# Altium PCB MachChoCaAn.PcbDoc
Units mil, origin at the board's own origin, x right, y up, seen from the top; angles counter-clockwise.
Board outline 2525 x 1550 mil, 2 copper layers (Top Layer, Bottom Layer); 36 components, 31 nets, 121 pads, 14 vias.
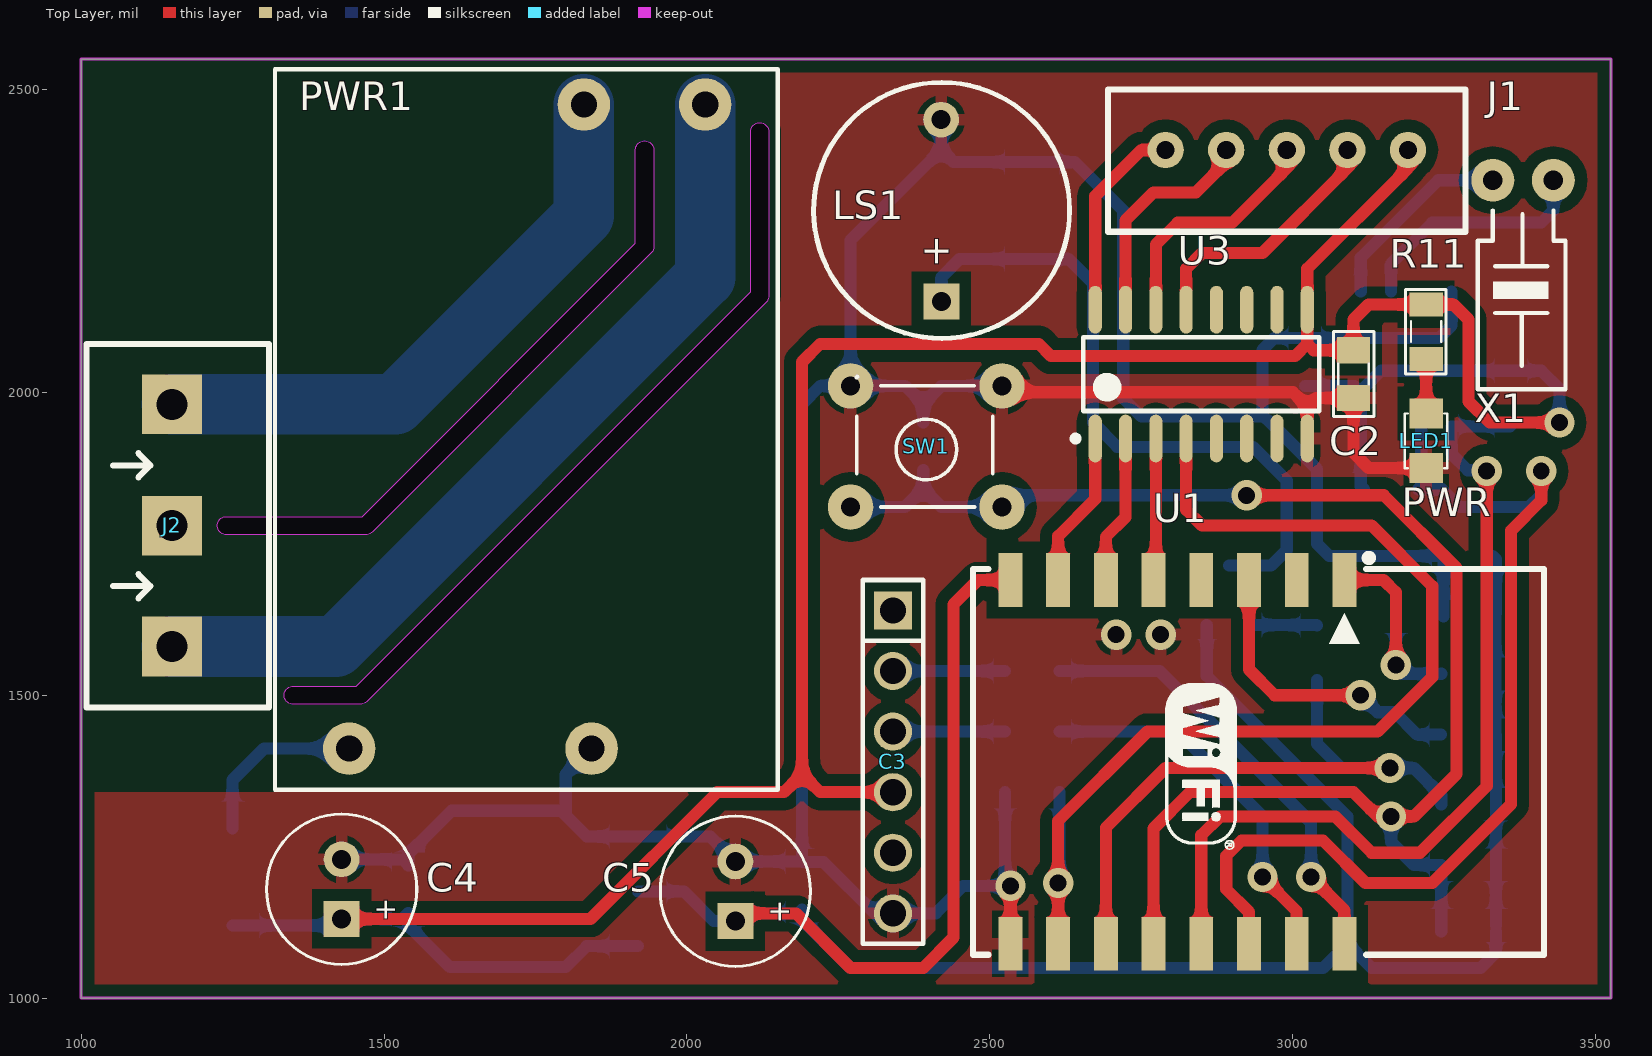
[diagram p0: Top Layer view]
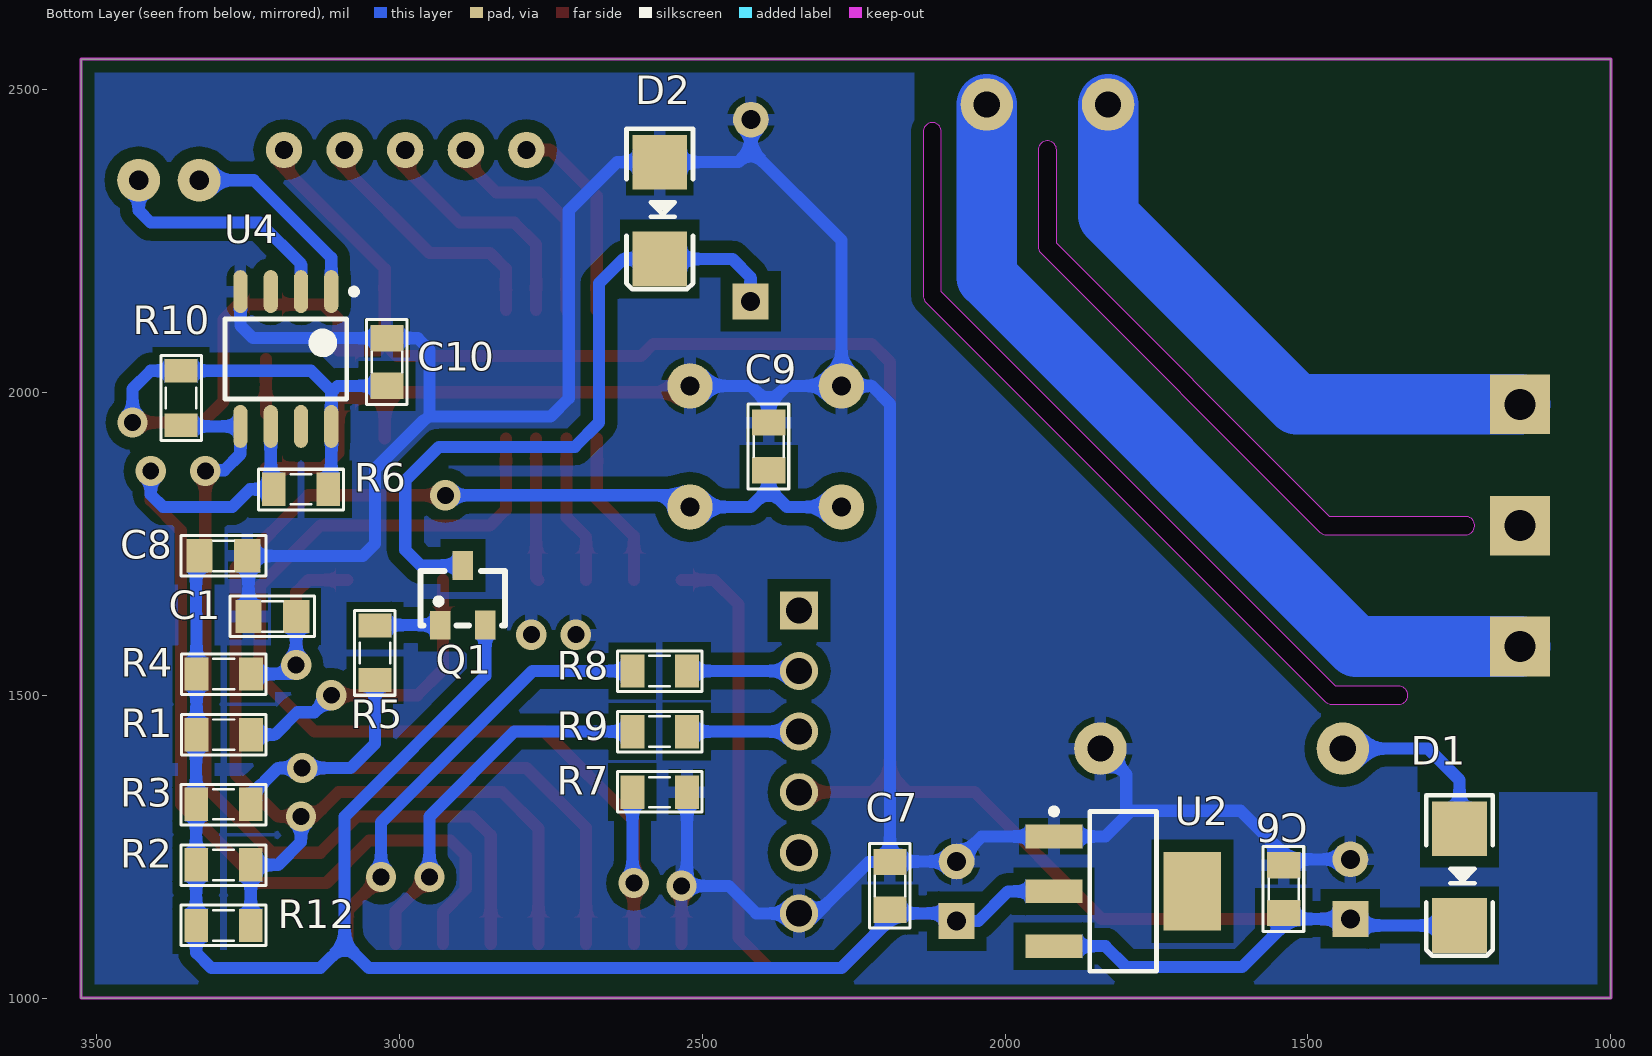
[diagram p1: Bottom Layer view, seen from below]

## Layer stack, top to bottom
Top Solder: solder mask 0.4, Solder Resist, Dk 3.5
Top Layer: signal copper 1.4
Dielectric 1: dielectric 12.6, FR-4, Dk 4.8
Bottom Layer: signal copper 1.4
Bottom Solder: solder mask 0.4, Solder Resist, Dk 3.5

## Board outline
1000,1000 3525,1000 3525,2550 1000,2550
cut-out: 1240,1764.98 cw(c1240,1780) 1240,1795.02 1463.78,1795.02 1914.98,2246.22 1914.98,2400 cw(c1930,2400) 1945.02,2400 1945.02,2240 cw(c1930,2240) 1940.6,2229.37 1940.62,2229.38 1480.62,1769.38 1480.63,1769.4 cw(c1470,1780) 1470,1764.98
cut-out: 1350,1484.98 cw(c1350,1500) 1350,1515.02 1454.28,1515.02 2104.99,2165.72 2104.99,2430 cw(c2120,2430) 2135.01,2430 2135.01,2159.5 cw(c2120,2159.5) 2130.6,2148.87 2130.62,2148.88 1471.12,1489.38 1471.13,1489.4 cw(c1460.5,1500) 1460.5,1484.98
cut-out: 4828,282.5

## Design rules (kind name [scope] priority, off if disabled: settings)
Clearance Clearance_9 [InNamedPolygon('Bottom Layer-No Net')] p1: gap=20 ignorepadtopadclearanceinfootprint=FALSE
Clearance Clearance_8 [InNamedPolygon('Bottom Layer-GND')] p2: gap=20 ignorepadtopadclearanceinfootprint=FALSE
Clearance Clearance_7 [InNamedPolygon('Bottom Layer-GND')] p3: gap=20 ignorepadtopadclearanceinfootprint=FALSE
Clearance Clearance_6 [InNamedPolygon('Top Layer-GND')] p4: gap=20 ignorepadtopadclearanceinfootprint=FALSE
Clearance Clearance_5 [InNamedPolygon('Top Layer-GND') Or  InNamedPolygon('Bottom Layer-GND')] p5: gap=20 ignorepadtopadclearanceinfootprint=FALSE
Clearance Clearance_4 [InNamedPolygon('Top Layer-GND') Or  InNamedPolygon('Bottom Layer-GND')] p6: gap=25 ignorepadtopadclearanceinfootprint=FALSE
Clearance Clearance_3 [InNamedPolygon('Bottom Layer-GND')] p7: gap=25 ignorepadtopadclearanceinfootprint=FALSE
Clearance Clearance_2 [InNamedPolygon('Top Layer-GND')] p8: gap=25 ignorepadtopadclearanceinfootprint=FALSE
Clearance Clearance_1 [InNamedPolygon('Bottom Layer-GND')] p9: gap=25 ignorepadtopadclearanceinfootprint=FALSE
Clearance [All] p10: gap=10 ignorepadtopadclearanceinfootprint=FALSE except(0: Arc-Hole Track-Hole SMDPad-Hole THPad-Hole Via-Hole Fill-Hole Poly-Hole Region-Hole Text-Hole)
PlaneConnect [All] p1: planeconnectstyle=Relief reliefexpansion=20 reliefentries=4 reliefconductorwidth=20 reliefairgap=10
PolygonConnect PolygonConnect_15 [All vs IsNamedPolygon('Top Layer-GND')] p1: connectstyle=Relief reliefconductorwidth=20 reliefentries=4 polygonreliefangle="90 Angle" airgapwidth=10
PolygonConnect PolygonConnect_14 [All vs IsNamedPolygon('Bottom Layer-No Net')] p2: connectstyle=Relief reliefconductorwidth=20 reliefentries=4 polygonreliefangle="90 Angle" airgapwidth=10
PolygonConnect PolygonConnect_13 [All vs IsNamedPolygon('Bottom Layer-No Net')] p3: thpad.connectstyle=Relief thpad.reliefconductorwidth=20 thpad.reliefentries=4 thpad.polygonreliefangle="90 Angle" thpad.airgapwidth=10 smdpad.connectstyle=Relief smdpad.reliefconductorwidth=20 smdpad.reliefentries=4 smdpad.polygonreliefangle="90 Angle" smdpad.airgapwidth=10 via.connectstyle=Relief via.reliefconductorwidth=10 via.reliefentries=4 via.polygonreliefangle="90 Angle" via.airgapwidth=10
PolygonConnect PolygonConnect_12 [All vs IsNamedPolygon('Top Layer-GND')] p4: thpad.connectstyle=Relief thpad.reliefconductorwidth=20 thpad.reliefentries=4 thpad.polygonreliefangle="90 Angle" thpad.airgapwidth=10 smdpad.connectstyle=Relief smdpad.reliefconductorwidth=20 smdpad.reliefentries=4 smdpad.polygonreliefangle="90 Angle" smdpad.airgapwidth=10 via.connectstyle=Relief via.reliefconductorwidth=10 via.reliefentries=4 via.polygonreliefangle="90 Angle" via.airgapwidth=10
PolygonConnect PolygonConnect_11 [All vs IsNamedPolygon('Bottom Layer-GND')] p5: thpad.connectstyle=Relief thpad.reliefconductorwidth=20 thpad.reliefentries=4 thpad.polygonreliefangle="90 Angle" thpad.airgapwidth=10 smdpad.connectstyle=Relief smdpad.reliefconductorwidth=20 smdpad.reliefentries=4 smdpad.polygonreliefangle="90 Angle" smdpad.airgapwidth=10 via.connectstyle=Relief via.reliefconductorwidth=10 via.reliefentries=4 via.polygonreliefangle="90 Angle" via.airgapwidth=10
PolygonConnect PolygonConnect_10 [All vs IsNamedPolygon('Bottom Layer-GND')] p6: thpad.connectstyle=Direct thpad.reliefconductorwidth=10 thpad.reliefentries=4 thpad.polygonreliefangle="90 Angle" thpad.airgapwidth=10 smdpad.connectstyle=Direct smdpad.reliefconductorwidth=10 smdpad.reliefentries=4 smdpad.polygonreliefangle="90 Angle" smdpad.airgapwidth=10 via.connectstyle=Relief via.reliefconductorwidth=10 via.reliefentries=4 via.polygonreliefangle="90 Angle" via.airgapwidth=10
PolygonConnect PolygonConnect_9 [All vs IsNamedPolygon('Bottom Layer-GND')] p7: thpad.connectstyle=Direct thpad.reliefconductorwidth=10 thpad.reliefentries=4 thpad.polygonreliefangle="90 Angle" thpad.airgapwidth=10 smdpad.connectstyle=Direct smdpad.reliefconductorwidth=10 smdpad.reliefentries=4 smdpad.polygonreliefangle="90 Angle" smdpad.airgapwidth=10 via.connectstyle=Relief via.reliefconductorwidth=10 via.reliefentries=4 via.polygonreliefangle="90 Angle" via.airgapwidth=10
PolygonConnect PolygonConnect_8 [All vs IsNamedPolygon('Top Layer-GND')] p8: thpad.connectstyle=Direct thpad.reliefconductorwidth=10 thpad.reliefentries=4 thpad.polygonreliefangle="90 Angle" thpad.airgapwidth=10 smdpad.connectstyle=Direct smdpad.reliefconductorwidth=10 smdpad.reliefentries=4 smdpad.polygonreliefangle="90 Angle" smdpad.airgapwidth=10 via.connectstyle=Relief via.reliefconductorwidth=10 via.reliefentries=4 via.polygonreliefangle="90 Angle" via.airgapwidth=10
PolygonConnect PolygonConnect_7 [All vs IsNamedPolygon('Top Layer-GND') Or  IsNamedPolygon('Bottom Layer-GND')] p9: thpad.connectstyle=Direct thpad.reliefconductorwidth=10 thpad.reliefentries=4 thpad.polygonreliefangle="90 Angle" thpad.airgapwidth=10 smdpad.connectstyle=Direct smdpad.reliefconductorwidth=10 smdpad.reliefentries=4 smdpad.polygonreliefangle="90 Angle" smdpad.airgapwidth=10 via.connectstyle=Relief via.reliefconductorwidth=10 via.reliefentries=4 via.polygonreliefangle="90 Angle" via.airgapwidth=10
PolygonConnect PolygonConnect_6 [All vs IsNamedPolygon('Top Layer-GND')] p10: thpad.connectstyle=Relief thpad.reliefconductorwidth=20 thpad.reliefentries=4 thpad.polygonreliefangle="90 Angle" thpad.airgapwidth=10 smdpad.connectstyle=Relief smdpad.reliefconductorwidth=20 smdpad.reliefentries=4 smdpad.polygonreliefangle="90 Angle" smdpad.airgapwidth=10 via.connectstyle=Relief via.reliefconductorwidth=10 via.reliefentries=4 via.polygonreliefangle="90 Angle" via.airgapwidth=10
PolygonConnect PolygonConnect_5 [All vs IsNamedPolygon('Bottom Layer-GND')] p11: thpad.connectstyle=Relief thpad.reliefconductorwidth=20 thpad.reliefentries=4 thpad.polygonreliefangle="90 Angle" thpad.airgapwidth=10 smdpad.connectstyle=Relief smdpad.reliefconductorwidth=20 smdpad.reliefentries=4 smdpad.polygonreliefangle="90 Angle" smdpad.airgapwidth=10 via.connectstyle=Relief via.reliefconductorwidth=10 via.reliefentries=4 via.polygonreliefangle="90 Angle" via.airgapwidth=10
PolygonConnect PolygonConnect_4 [All vs IsNamedPolygon('Top Layer-GND')] p12: thpad.connectstyle=Relief thpad.reliefconductorwidth=20 thpad.reliefentries=4 thpad.polygonreliefangle="90 Angle" thpad.airgapwidth=10 smdpad.connectstyle=Relief smdpad.reliefconductorwidth=20 smdpad.reliefentries=4 smdpad.polygonreliefangle="90 Angle" smdpad.airgapwidth=10 via.connectstyle=Relief via.reliefconductorwidth=10 via.reliefentries=4 via.polygonreliefangle="90 Angle" via.airgapwidth=10
PolygonConnect PolygonConnect_3 [All vs IsNamedPolygon('Bottom Layer-GND')] p13: thpad.connectstyle=Relief thpad.reliefconductorwidth=20 thpad.reliefentries=4 thpad.polygonreliefangle="90 Angle" thpad.airgapwidth=10 smdpad.connectstyle=Relief smdpad.reliefconductorwidth=10 smdpad.reliefentries=4 smdpad.polygonreliefangle="90 Angle" smdpad.airgapwidth=10 via.connectstyle=Relief via.reliefconductorwidth=10 via.reliefentries=4 via.polygonreliefangle="90 Angle" via.airgapwidth=10
PolygonConnect PolygonConnect_2 [All vs IsNamedPolygon('Top Layer-GND')] p14: thpad.connectstyle=Relief thpad.reliefconductorwidth=20 thpad.reliefentries=4 thpad.polygonreliefangle="90 Angle" thpad.airgapwidth=10 smdpad.connectstyle=Relief smdpad.reliefconductorwidth=10 smdpad.reliefentries=4 smdpad.polygonreliefangle="90 Angle" smdpad.airgapwidth=10 via.connectstyle=Relief via.reliefconductorwidth=10 via.reliefentries=4 via.polygonreliefangle="90 Angle" via.airgapwidth=10
PolygonConnect PolygonConnect_1 [All vs IsNamedPolygon('Bottom Layer-GND')] p15: thpad.connectstyle=Direct thpad.reliefconductorwidth=10 thpad.reliefentries=4 thpad.polygonreliefangle="90 Angle" thpad.airgapwidth=10 smdpad.connectstyle=Relief smdpad.reliefconductorwidth=10 smdpad.reliefentries=4 smdpad.polygonreliefangle="90 Angle" smdpad.airgapwidth=10 via.connectstyle=Relief via.reliefconductorwidth=10 via.reliefentries=4 via.polygonreliefangle="90 Angle" via.airgapwidth=10
PolygonConnect [All] p16: connectstyle=Relief reliefconductorwidth=10 reliefentries=4 polygonreliefangle="90 Angle" airgapwidth=10
RoutingVias [All] p1: holewidth=28 width=50 viastyle="Through Hole" minholewidth=28 minwidth=50 maxholewidth=28 maxwidth=50
SolderMaskExpansion [All] p1: expansion=4
Width [All] p1: maxlimit=100 minlimit=10 preferedwidth=30
29 further rules are at their usual default settings.

## Components (designator, comment, footprint, x,y, rotation, side; value= is the part's Value field where it differs from the comment)
C1 "100nF" CN-SMD-0805 3209.36,1630.01 r0 bottom value=33pF
C2 "100nF" CN-SMD-0805 3100,2030 r90 top value=33pF
C3 "FTDI" JP6-D1T 2340,1640 r270 top
C4 "100uF" CA-ALU-6.3 1430,1180 r90 top locked value=104
C5 "100uF" CA-ALU-6.3 2080,1176.39 r90 top locked value=104
C6 "100nF" CN-SMD-0805 1540,1180 r270 bottom value=33pF
C7 "100nF" CN-SMD-0805 2190,1185.46 r270 bottom value=33pF
C8 "100nF" CN-SMD-0805 3290,1730 r0 bottom value=33pF
C9 "100nF" CN-SMD-0805 2390.01,1910.64 r270 bottom value=33pF
C10 "100nF" CN-SMD-0805 3020,2050 r270 bottom value=33pF
D1 "Diode SMD" DIO-SMD-106 1250,1200 r90 bottom value=1N5007
D2 "Diode SMD" DIO-SMD-106 2570,2300 r90 bottom value=1N5007
J1 "XH2.54-5P" XH2.54-5P 3190,2400 r180 top locked
J2 "KF3" KF3-5.08 1150,1980 r270 top locked
LED1 "PWR" LED-0805-Orange 3220,1965 r270 top value="LED 3 - 5 ly 2 Colour"
LS1 "Speaker" SPEAKER 2420,2150 r90 top locked
PWR1 "MINI_POWER" MINI_POWER 1730,1940 r270 top locked
Q1 "A1015" SOT23B 2890,1660 r180 bottom
R1 "10k" RES-SMD-0805 3289.5,1435 r180 bottom
R2 "10k" RES-SMD-0805 3290,1220 r180 bottom
R3 "10k" RES-SMD-0805 3290,1320 r180 bottom
R4 "10k" RES-SMD-0805 3289.5,1535 r180 bottom
R5 "1k" RES-SMD-0805 3040,1570 r270 bottom
R6 "10k" RES-SMD-0805 3162,1840 r180 bottom
R7 "10k" RES-SMD-0805 2570,1340 r0 bottom
R8 "470R" RES-SMD-0805 2570,1540 r180 bottom
R9 "470R" RES-SMD-0805 2570,1440 r180 bottom
R10 "10k" RES-SMD-0805 3360,1990.64 r90 bottom
R11 "1k" RES-SMD-0805 3220,2100 r270 top
R12 "10k" RES-SMD-0805 3290,1120 r0 bottom
SW1 "USER" SW2-DIP 2520.01,1810.64 r180 top locked value="Button chip 4 pin"
U1 "ESP8266 ESP_12" "ESP8266 ESP_12" 2809.5,1390 r270 top locked
U2 "AMS1117-3.3V" SOT223 1805,1176.39 r270 bottom locked
U3 "ULN2003A" SO16 2848.87,2030 r90 top locked
U4 "DS1307" DS1307 3185,2050 r0 bottom
X1 "32.768kHz" XT32k 3430,2350 r270 top value=4Mhz

## Footprints (in the part's own frame and the unit in brackets; to place one, negate y for a bottom-side part, rotate by r counter-clockwise, add the part's x,y. Pads: shape width x height; smd on the part's side, far side on the other; paste and mask are expansions set on the pad)
CA-ALU-6.3 [mm] "Polarized capacitors, Aluminum Electrolytic Capacitors, 2-Leads, Body 6.3x15x2.5x0.5"
  rect 1.5x1.5 hole 0.8: 1(-1.25,0)
  round 1.5 hole 0.8: 2(1.25,0)
  silkscreen extent -3.15,-3.15 3.15,3.15, body extent -3.12,-3.15 3.18,3.15, height 11
CN-SMD-0805 [mil]
  rect 43.31x55 smd: 1(-39.36,0.01) 2(39.37,0.01)
  silkscreen extent -70,-34 70,33, body extent -39,-25 39,25, height 31
DIO-SMD-106 [mil]
  rect 90x90.55 smd: 1(80,0) 2(-80,0)
  silkscreen extent -130,-55 135,55, body extent -99,-50 106,52, height 95
DS1307 [mm]
  oval 0.6x1.8 smd: 1(-1.854,-2.952) 2(-0.584,-2.952) 3(0.686,-2.952) 4(1.956,-2.952) 5(1.956,2.698) 6(0.686,2.698) 7(-0.584,2.698) 8(-1.854,2.698)
  silkscreen extent -2.93,-3.08 2.6,1.55, body extent -2.4,-3.12 2.5,2.87, height 1.6
"ESP8266 ESP_12" [mm] "ESP8266 ESP-12"
  rect 2.25x1 smd: 1(-7.625,7) 2(-7.625,5) 3(-7.625,3) 4(-7.625,1) 5(-7.625,-1) 6(-7.625,-3) 7(-7.625,-5) 8(-7.625,-7) 9(7.625,-7) 10(7.625,-5) 11(7.625,-3) 12(7.625,-1) 13(7.625,1) 14(7.625,3) 15(7.625,5) 16(7.625,7)
  silkscreen extent -8.7,-8.57 8.08,15.37, body extent -7.86,-8.52 8.16,15.51, height 3.82
JP6-D1T [mm] "6 pins, 1 row, straight, gold plating"
  rect 1.6x1.6 hole 1.1: 1(0,0)
  round 1.6 hole 1.1: 2(2.54,0) 3(5.08,0) 4(7.62,0) 5(10.16,0) 6(12.7,0)
  silkscreen extent -1.27,-1.27 13.97,1.27, body extent -1.27,-1.27 13.97,1.27, height 8.54
KF3-5.08 [mm]
  rect 2.5x2.5 hole 1.3: 1(0,0) 2(5.08,0) 3(10.147,0)
  silkscreen extent -2.54,-3.58 12.7,4.06, body extent -2.42,-3.51 12.58,3.99, height 10
LED-0805-Orange [mil]
  rect 50x55 smd: 1(0,0) 2(90,0)
  silkscreen extent 0,-35 90,35, body extent 5,-25 85,25, height 43
MINI_POWER [mm]
  round 2.2 hole 1.1: 1(-13.589,7.62) 2(-13.589,2.54) 3(13.411,-7.3) 4(13.411,2.86)
  silkscreen extent -15.06,-10.41 15.14,10.67, body extent -15,-10.37 15,10.63, height 14.51
RES-SMD-0805 [mil]
  rect 39.37x55 smd: 1(-45,0) 2(45,0)
  silkscreen extent -70,-34 70,33, body extent -39,-25 39,25, height 31
SO16 [mm] "SOIC, 16-Leads, Body 9.90x3.91mm, Pitch 1.27mm, IPC Medium Density"
  oval 2x0.55 smd: 1(-2.7,4.445) 2(-2.7,3.175) 3(-2.7,1.905) 4(-2.7,0.635) 5(-2.7,-0.635) 6(-2.7,-1.905) 7(-2.7,-3.175) 8(-2.7,-4.445) 9(2.7,-4.445) 10(2.7,-3.175) 11(2.7,-1.905) 12(2.7,-0.635) 13(2.7,0.635) 14(2.7,1.905) 15(2.7,3.175) 16(2.7,4.445)
  silkscreen extent -2.82,-4.95 1.55,5.39, body extent -3,-4.95 3,4.95, height 1.4
SOT23B [mm] "SOT 23B"
  rect 0.85x1.2 smd: 1(-1.077,-1.123) 2(-0.127,1.377) 3(0.813,-1.118)
  silkscreen extent -1.91,-1.14 1.65,1.14, body extent -1.63,-1.17 1.37,1.33, height 1.06
SOT223 [mm]
  rect 1x2.4 smd: 1(-2.3,-2.9) 2(0,-2.9) 3(2.3,-2.9)
  rect 3.3x2.4 smd: 4(0,2.9)
  silkscreen extent -3.47,-3.03 3.35,1.4, body extent -3.25,-3.56 3.25,3.4, height 1.68
SPEAKER [mm]
  rect 1.5x1.5 hole 0.8: 1(0,0)
  round 1.5 hole 0.8: 2(7.62,0.013)
  silkscreen extent -1.55,-5.38 9.18,5.36, body extent -2.22,-6 13.24,6, height 4.5
SW2-DIP [mil] "SW button 4pin, 250 x250 mil"
  round 75 hole 31: 1(0,0) 2(0,-200) 3(250,-200) 4(250,0)
  silkscreen extent 15,-215 240,0, body extent -36,-220 276,24, height 276
XH2.54-5P [mil]
  round 60 hole 30: 1(0,0) 2(100,0) 3(200,0) 4(300,0) 5(400,0)
  silkscreen extent -95,-100 495,135, body extent -92,-98 492,132, height 118
XT32k [mm]
  round 1.8 hole 0.813: 1(0,0) 2(0,-2.54)
  silkscreen extent 1.27,-3.17 8.76,0.51, body extent -0.15,-2.42 8.2,-0.12, height 1.95

## Part data
C1 C2 C6 C7 C8 C9 C10: library part CN
C3: library part JP6, "WR-PHD 2.54 mm Angled Socket Header", Manufacturer="W¨¹rth Elektronik eiSos GmbH", partNo=613006143121, ComponentLink1 Description=Manufacturer, ComponentLink1URL=http://www.we-online.com, ComponentLink2 Description=Datasheet, ComponentLink2URL=http://katalog.we-online.de/em/datasheet/6130xx143121.pdf, Created by="Karrer Zheng", Created Date="29 March 2013", NoPins=06
C4 C5: library part CN-ALU-DIP, "Capacitor (Semiconductor SIM Model)", LatestRevisionDate=17-Jul-2002, LatestRevisionNote="Re-released for DXP Platform.", PackageReference=C1206, Publisher="Altium Limited"
D1 D2: "Default Diode", Code - JEDEC=DO-214-AB, Published=8-Jun-2000, Publisher="Altium Limited", Revision="July-2002: Re-released for DXP Platform."
J2: Manufacturer="Würth Elektronik eiSos GmbH", partNo=691103110003, ComponentLink1 Description=Manufacturer, ComponentLink1URL=http://www.we-online.com, ComponentLink2 Description=Datasheet, ComponentLink2URL=http://katalog.we-online.de/em/datasheet/6911031100xx.pdf, Created by="Karrer Zheng", Created Date="29 October 2013", NoPins=3
LED1: library part "LED SMD"
LS1: "Loudspeaker", LatestRevisionDate=17-Jul-2002, LatestRevisionNote="Re-released for DXP Platform.", PackageReference=PIN2, Published=24-Mar-1999, Publisher="Altium Limited"
Q1: "Dán", Chung_Loai=Dán, Don_Vi=Con, Ma_Hang=MH001957, Ten_Linh_Kien="A1015 SOT23 TRANS PNP 0.15A 50V ( SMD-BA)"
R1 R2 R3 R4 R5 R6 R7 R8 R9 R10 R11 R12: library part Res-SMD, "Resistor", Manufacturer="Generic Components", Class=Passive, Published=08/06/2000, Publisher="Altium Hobart Technology Centre"
SW1: library part SW4, "Switch button 4 pin"
U1: "ESP8266 ESP-12", IC=ESP8266-EX, LatestReviewer="Zion Blue", LatestRevisionData=14-Apr-2015, LatestRevisionNote="Include 3D body and Footprint", Published=14-Apr-2015, Publisher="Cynetik Group", Vendor=Ai-thinker
U2: library part LM1117, "800mA Low-Dropout Linear Regulator", Creator="Nguyen Ba Bien", Website=http://group3i.net
U3: "High-Voltage, High-Current Darlington Array", Code_JEDEC=MS-001-BB, ComponentLink1Description="Manufacturer Link", ComponentLink1URL=http://www.allegromicro.com/, DatasheetVersion=1998, LatestRevisionDate=06-Jun-2005, LatestRevisionNote="Stylized 3D Model Added.", PackageDescription="DIP; 16 Leads; Row Spacing 7.62 mm; Pitch 2.54 mm", PackageReference=A16, PackageVersion=1998, Published=13-Oct-2000, Publisher="Altium Limited"
X1: library part XT2, "Crystal, 32.768 KHz, -40 to 85 degC, 3.2 x 1.5 x 0.9 mm SMD"

## Via types
v1: diameter 50, hole 28, Top Layer to Bottom Layer, tented both sides, 14 vias

## Nets (pads, with @x,y where several pads share a name; then routed paths per layer and width w, separated by ;. In a path a pad name is that pad's centre, name@x,y a point inside that pad or via, vN(x,y) a via of type N, cw(c..) or ccw(c..) an arc to the next point about the centre after c; other vN are vias at no path point)
+3.3: C5.1 C7.2 C8.2 Q1.3 R1.1 R2.1 R3.1 R4.1 R12.2 U1.8 U2.2 | length 3890.5
  Top Layer w20: C5.1 2092.82,1140 2180,1140 2270,1050 2390,1050 2440,1100 2440,1650 2480.2,1690.2 U1.8
  Bottom Layer w20: U2.2 1995,1176.39 2044.21,1127.18 C5.1 2092.82,1140 2183.9,1140 C7.2 2189.99,1130.01 2270,1050 3050,1050 3090,1090 ; Q1.3 2858,1532 3090,1300 3090,1090 ; C8.2 3335,1724.37 3335,1634.87 3334.5,1634.37 R4.1 R1.1 3335,1434.5 R3.1 R2.1 R12.2 ; R12.2@3335,1110 3335,1075 3310,1050 3130,1050 3090,1090
+5: C2.2 C3.4 C4.1 C6.2 C10.2 D1.2 J1.1 R6.2 R10.2 R11.1 U2.3 U3.9 U4.8 | length 5004
  Top Layer w20: C4.1 1840.79,1130.79 2050,1340 2160,1340 2190,1370 ; C3.4 2220,1340 2190,1370 ; J1.1 3190,2370 3023.87,2203.87 U3.9 3023.87,2080 ; v1(3440,1950) 3325,1950 3290,1985 3290,2120 3265,2145 R11.1 3125,2145 3099.99,2119.99 C2.2 3034.5,2069.37 3023.87,2080 ; 2190,1370 2190,2050 2220,2080 2580.64,2080 2600.64,2060 3003.87,2060 3023.87,2080
  Bottom Layer w20: D1.2 1419.21,1120 C4.1 1530.16,1130.79 C6.2 1539.99,1120.01 1608.61,1051.39 1800,1051.39 1834.45,1085.84 U2.3 ; C10.2 3101.38,2010.63 3111,2001 3145.63,2035.63 R10.2 3410,2035.63 3440,2005.63 v1(3440,1950) ; 3112,2000 U4.8 3112,1845 R6.2
ADC: U1.2
EN: R1.2 U1.3 | length 509.2
  Top Layer w20: U1.3 2927.61,1542.39 2970,1500 v1(3112,1500)
  Bottom Layer w20: v1(3112,1500) 3140,1472 3168,1472 3205,1435 R1.2
GND: C1.2 C2.1 C3.6 C4.2 C5.2 C6.1 C7.1 C8.1 C9.1 C10.1 D2.1 LED1.2 LS1.2 PWR1.4 R7.1 SW1.2 SW1.3 U1.9 U2.1 U3.8 U4.4 | length 6110.6
  Top Layer w20: SW1.2 2530.64,2000 3000,2000 3023.87,1976.13 ; U1.9 v1(2533.91,1185.46) ; U3.8 3023.87,1976.13 ; LED1.2 3125,1875 3099.99,1900.01 C2.1 3038.38,1990.64 3023.87,1976.13
  Bottom Layer w20: C4.2 1530.15,1229.21 C6.1 1539.99,1237.83 1611.53,1309.37 1792.02,1309.37 1800,1301.39 ; PWR1.4 1800,1369.41 1800,1301.39 ; C9.1 2390,1980.63 ; LS1.2 2419.5,2400.5 ; SW1.2 2420.01,2010.64 2390,1980.63 ; R7.1 2525,1194.38 v1(2533.91,1185.46) 2456.1,1185.46 2410.64,1140 C3.6 2310,1140 2225.17,1224.83 C7.1 C7.1@2189.99,1225.6 ; C1.2 C8.1@3248.74,1728.1 ; C8.1 3060.01,1729.99 3040,1750 3040,1873.58 2960,1953.58 2950,1960 ; U4.4 3262,2110 3241.37,2089.36 C10.1 2969.36,2089.36 2950,2070 2950,1960 ; 1800,1301.39 1834.45,1266.94 U2.1 2038.66,1266.94 C5.2 C7.1@2189.99,1225.6 ; C7.1@2189.99,1225.6 2189.99,1980.63 2220,2010.64 SW1.3 ; SW1.3 2270.01,2251.01 2419.5,2400.5 ; SW1.3 2359.99,2010.64 2390,1980.63 ; 2419.5,2400.5 2440,2380 D2.1 2640,2380 2720,2300 2720,1990 2750,1960 2950,1960
  other v1: 2708.32,1600 2781.92,1600
GPIO0: C9.2 R2.2 R12.1 SW1.1 SW1.4 U1.12 | length 2464.5
  Top Layer w20: U1.12 2770.13,1280.13 2830,1340 3100,1340 3140,1300 v1(3162,1300) 3200,1300 3270,1370 3270,1710 3150,1830 v1(2923.87,1830)
  Bottom Layer w20: SW1.4 2359.99,1810.64 2390,1840.64 ; C9.2 2390,1840.64 ; v1(2923.87,1830) 2539.37,1830 SW1.1 2420.01,1810.64 2390,1840.64 ; v1(3162,1300) 3162,1258 3200,1220 R2.2 R12.1@3245,1110
GPIO2: R3.2 R5.2 U1.11 | length 1061.3
  Top Layer w20: U1.11 2691.39,1281.39 2790,1380 v1(3160,1380)
  Bottom Layer w20: R5.2 3040,1420 3080,1380 v1(3160,1380) 3200,1380 3245,1335 R3.2
GPIO4: R10.1 U1.13 U4.5 | length 1467.7
  Top Layer w20: U1.13 2848.87,1268.87 2880,1300 3070,1300 3130,1240 3210,1240 3320,1350 v1(3320,1870)
  Bottom Layer w20: v1(3320,1870) 3318.74,1871.26 3288.74,1871.26 3262,1898 U4.5 3358.15,1943.78 R10.1
GPIO5: R6.1 U1.14 U4.6 | length 1663.1
  Top Layer w20: U1.14 2927.61,1142.39 2890,1180 2890,1235 2915,1260 3050,1260 3120,1190 3230,1190 3360,1320 3360,1771.65 3410,1821.65 v1(3410,1870)
  Bottom Layer w20: U4.6 3212,1845 R6.1 3246.13,1840 3275.49,1810.64 3389.51,1810.64 3410,1831.13 v1(3410,1870)
GPIO12: U1.6 U3.2 | length 247
  Top Layer w20: U1.6 2691.39,1761.39 2723.87,1793.87 U3.2
GPIO13: U1.7 U3.1 | length 258.9
  Top Layer w20: U1.7 2612.65,1762.65 2673.87,1823.87 U3.1
GPIO14: U1.5 U3.3 | length 235.1
  Top Layer w20: U1.5 2773.87,1693.94 U3.3
GPIO15: R7.2 U1.10 U3.4 | length 1795.4
  Top Layer w20: U1.10 v1(2612.65,1190) 2612.65,1292.65 2760,1440 3140,1440 3230,1530 3230,1680 3130,1780 2850,1780 2823.87,1806.13 U3.4
  Bottom Layer w20: v1(2612.65,1190) 2615,1192.35 R7.2
GPIO16: U1.4
NetC3_2: C3.2 R8.2 | length 185
  Bottom Layer w20: C3.2 R8.2
NetC3_3: C3.3 R9.2 | length 185
  Bottom Layer w20: C3.3 R9.2
NetD1_1: D1.1 PWR1.3 | length 294.1
  Bottom Layer w20: D1.1 1250,1360 1302.01,1412.01 PWR1.3
NetD2_2: D2.2 LS1.1 Q1.2 | length 1128.5
  Bottom Layer w20: LS1.1 2420,2190 2450,2220 D2.2 2630,2220 2670,2180 2670,1950 2710,1910 2934.21,1910 2989.87,1854.34 2989.87,1739.87 2964.21,1714.21 Q1.2
NetJ1_2: J1.2 U3.13 | length 432.5
  Top Layer w20: U3.13 2823.87,2203.87 2850,2230 2950,2230 3090,2370 J1.2
NetJ1_3: J1.3 U3.14 | length 405.9
  Top Layer w20: U3.14 2773.87,2243.87 2810,2280 2900,2280 2990,2370 J1.3
NetJ1_4: J1.4 U3.15 | length 373.5
  Top Layer w20: U3.15 2723.87,2283.87 2770,2330 2840,2330 2890,2380 J1.4
NetJ1_5: J1.5 U3.16 | length 335.2
  Top Layer w20: U3.16 2673.87,2323.87 2750,2400 J1.5
NetJ2_1: J2.1 PWR1.2 | length 992.4
  Bottom Layer w100: J2.1 1518.24,1980 1830,2291.76 PWR1.2
NetJ2_3: J2.3 PWR1.1 | length 1417.5
  Bottom Layer w100: J2.3 1420.5,1580.5 2030,2190 PWR1.1
NetLED1_1: LED1.1 R11.2 | length 90
  Top Layer w20: LED1.1 R11.2
NetQ1_1: Q1.1 R5.1 | length 107.9
  Bottom Layer w20: Q1.1 3039.21,1615.79 R5.1
NetU4_1: U4.1 X1.2 | length 326.8
  Bottom Layer w20: U4.1 3112,2222 3240,2350 X1.2
NetU4_2: U4.2 X1.1 | length 400.2
  Bottom Layer w20: U4.2 3162,2212 3230,2280 3410,2280 3430,2300 X1.1
nRST: C1.1 R4.2 U1.1 | length 374.7
  Top Layer w20: U1.1 3149.8,1690.2 3170,1670 v1(3170,1550)
  Bottom Layer w20: C1.1 v1(3170,1550) 3185,1535 R4.2 R4.2@3245,1535.5
RXD0: R9.1 U1.15 | length 626.5
  Top Layer w20: v1(2950,1200) 3006.35,1143.65 U1.15
  Bottom Layer w20: R9.1 2810,1440 2950,1300 v1(2950,1200)
TXD0: R8.1 U1.16 | length 741.6
  Top Layer w20: v1(3030,1200) 3085.09,1144.91 U1.16
  Bottom Layer w20: R8.1 2780,1540 3030,1290 v1(3030,1200)
pads on no net: C3.1 C3.5 J2.2 U2.4 U3.5 U3.6 U3.7 U3.10 U3.11 U3.12 U4.3 U4.7

## Polygon pours and split planes (outlines as drawn)
GND on Top Layer "Top Layer-GND" (solid, remove dead copper, pour order 4): 2150,2550 3525,2550 3525,1000 1000,1000 1000,1340 2150,1340
GND on Bottom Layer "Bottom Layer-No Net" (solid, remove dead copper, pour order 8): 2150,2550 3525,2550 3525,1000 1000,1000 1000,1340 1320,1340 1320,1475 1476.13,1475 2150,2148.87

## Keep-outs
Keep-Out Layer:
  the board outline again, w5

## Text inside footprints (layer, text, board x,y; h text height)
C4: Top Overlay "+" at 1530,1126.34 h59.06 r90
C5: Top Overlay "+" at 2180,1122.73 h59.06 r90
LS1: Top Overlay "+" at 2448,2205.5 h80 r90
U1: Mechanical 13 "ANTENNA AREA" at 3395.09,1699.96 h10 r270; Mechanical 13 "CUTOUT POLYGON" at 3375.09,1699.96 h10 r270